# Altium PCB MAIN.PcbDoc (part 1 of 2) (continued)
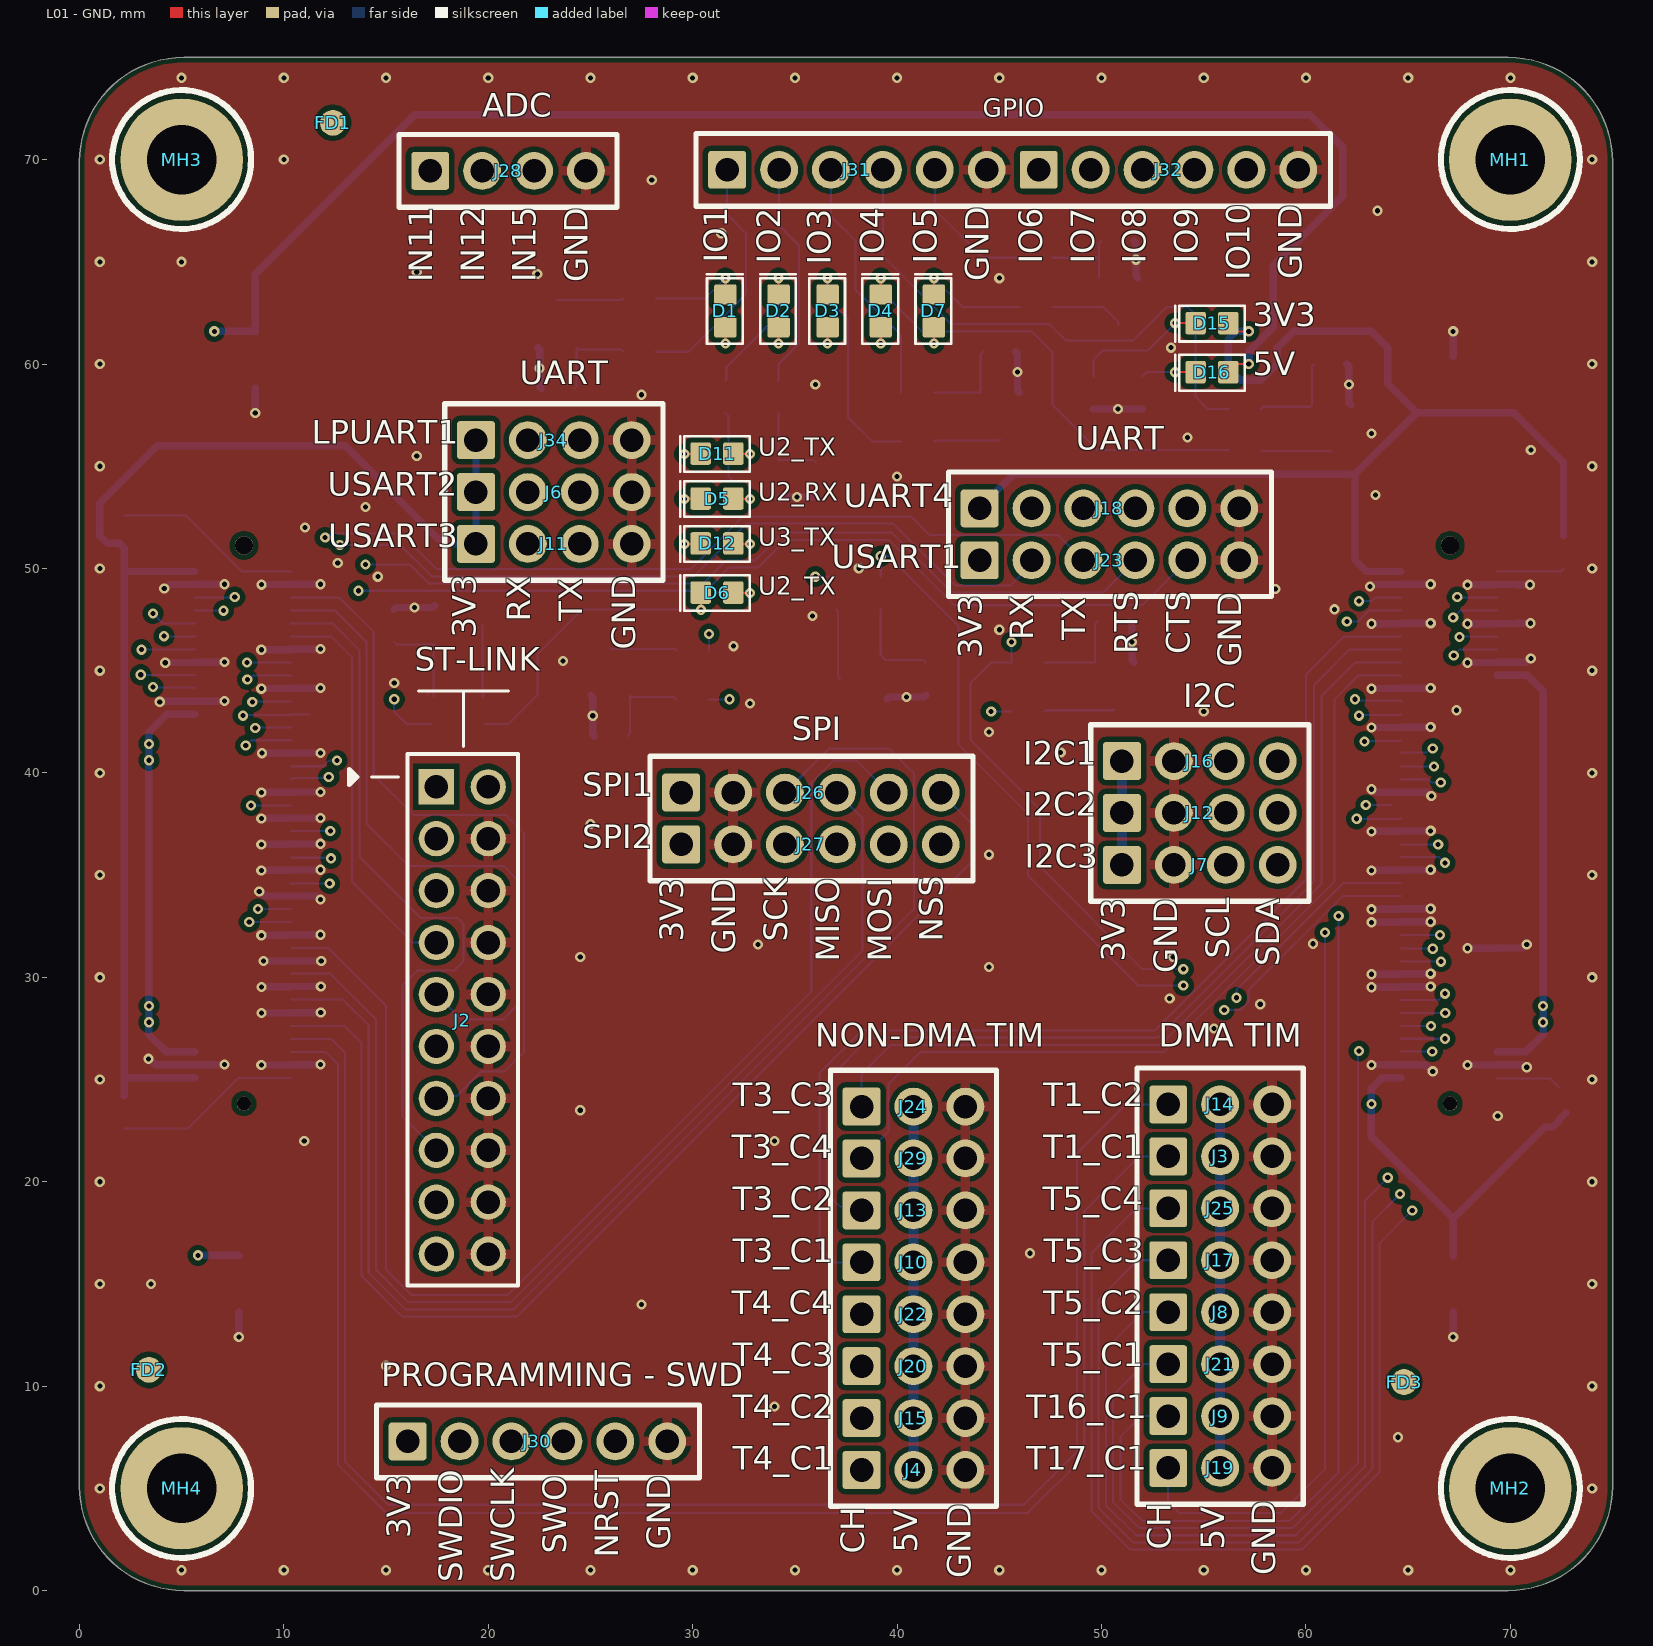
[diagram p0: L01 - GND view]
## Design rules (kind name [scope] priority, off if disabled: settings)
AcuteAngle [All] p1: minimum=6.00000000000000E+0001 checktracksonly=FALSE
BoardOutlineClearance [All] p1: gap=0.254 ignorepadtopadclearanceinfootprint=FALSE except(0: Arc-SplitContinuation Track-SplitContinuation SMDPad-SplitContinuation THPad-SplitContinuation Via-SplitContinuation Fill-SplitContinuation Poly-SplitContinuation Region-SplitContinuation Text-SplitContinuation)
Clearance [All] p1: gap=0.254 ignorepadtopadclearanceinfootprint=FALSE except(0: Arc-Hole Track-Hole SMDPad-Hole THPad-Hole Via-Hole Fill-Hole Poly-Hole Region-Hole Text-Hole)
HoleSize [All] p1: absolutevalues=TRUE maxlimit=4 minlimit=0.025 maxpercent=80.000 minpercent=20.000
MinimumSolderMaskSliver [All] p1: minsoldermaskwidth=0.1
PlaneClearance [All] p1: clearance=0.5
PolygonConnect [All] p1: connectstyle=Relief reliefconductorwidth=0.5 reliefentries=4 polygonreliefangle="90 Angle" airgapwidth=0.25
RoutingVias [All] p1: holewidth=0.711 width=1.27 viastyle="Through Hole" minholewidth=0.711 minwidth=1.27 maxholewidth=0.711 maxwidth=1.27
SilkToSilkClearance [All] p1: silktosilkclearance=0.25
SilkToSolderMaskClearance [IsPad] p1: minsilkscreentomaskgap=0.15 clearancetoexposedcopper=TRUE
SolderMaskExpansion [All] p1: expansion=0.102 istentingtop=FALSE
Width [All] p1: maxlimit=0.5 minlimit=0.1 preferedwidth=0.1 minimp=50.000000 maximp=50.000000 favimp=50.000000
25 further rules are at their usual default settings.

## Components (designator, comment, footprint, x,y, rotation, side; value= is the part's Value field where it differs from the comment)
C1 "GRM32ER71E226KE15K" .CAP_1210-Footprint-1 67.2,15 r90 bottom value=22uF
C2 "GRM32ER71E226KE15K" .CAP_1210-Footprint-1 67.2,59 r270 bottom value=22uF
C3 "GRM32ER71E226KE15K" .CAP_1210-Footprint-1 8.6,60.2 r90 bottom value=22uF
C4 "GRM32ER71E226KE15K" .CAP_1210-Footprint-1 7.8,15 r90 bottom value=22uF
D1 "LTST-C191KRKT" .LED_0603-Footprint-1 31.6,62.6 r90 top
D2 "LTST-C191KRKT" .LED_0603-Footprint-1 34.2,62.6 r90 top
D3 "LTST-C191KRKT" .LED_0603-Footprint-1 36.6,62.6 r90 top
D4 "LTST-C191KRKT" .LED_0603-Footprint-1 39.2,62.6 r90 top
D5 "LTST-C191KRKT" .LED_0603-Footprint-1 31.19,53.422 r180 top
D6 "LTST-C191KRKT" .LED_0603-Footprint-1 31.19,48.822 r180 top
D7 "LTST-C191KRKT" .LED_0603-Footprint-1 41.8,62.6 r90 top
D11 "LTST-C191KRKT" .LED_0603-Footprint-1 31.19,55.622 r180 top
D12 "LTST-C191KRKT" .LED_0603-Footprint-1 31.19,51.222 r180 top
D15 "LTST-C191KRKT" .LED_0603-Footprint-1 55.4,62 r180 top
D16 "LTST-C191KRKT" .LED_0603-Footprint-1 55.4,59.6 r180 top
FD1 "FIDUCIAL-STANDARD" FIDUCIAL-STANDARD-Footprint-1 12.4,71.8 r0 top
FD2 "FIDUCIAL-STANDARD" FIDUCIAL-STANDARD-Footprint-1 3.4,10.8 r90 top
FD3 "FIDUCIAL-STANDARD" FIDUCIAL-STANDARD-Footprint-1 64.8,10.2 r90 top
FD4 "FIDUCIAL-STANDARD" FIDUCIAL-STANDARD-Footprint-1 11.6,72.4 r90 bottom
FD5 "FIDUCIAL-STANDARD" FIDUCIAL-STANDARD-Footprint-1 2.6,10.4 r90 bottom
FD6 "FIDUCIAL-STANDARD" FIDUCIAL-STANDARD-Footprint-1 65.2,10 r90 bottom
J1 "550910874" 550910874-Footprint-1 8,37.5 r180 bottom locked
J2 "302-S201" 302-S201-Footprint-1 17.46,39.32 r270 top
J3 "PPPC031LFBN-RC" PPPC031LFBN-RC-Footprint-1 55.8,21.24 r0 top
J4 "PPPC031LFBN-RC" PPPC031LFBN-RC-Footprint-1 40.8,5.9 r0 top
J5 "550910874" 550910874-Footprint-1 67,37.5 r180 bottom locked
J6 "PPPC041LFBN-RC" PPPC041LFBN-RC-Footprint-1 19.4,53.74 r0 top
J7 "PPPC041LFBN-RC" PPPC041LFBN-RC-Footprint-1 51,35.5 r0 top
J8 "PPPC031LFBN-RC" PPPC031LFBN-RC-Footprint-1 55.8,13.62 r0 top
J9 "PPPC031LFBN-RC" PPPC031LFBN-RC-Footprint-1 55.8,8.54 r0 top
J10 "PPPC031LFBN-RC" PPPC031LFBN-RC-Footprint-1 40.8,16.06 r0 top
J11 "PPPC041LFBN-RC" PPPC041LFBN-RC-Footprint-1 19.4,51.2 r0 top
J12 "PPPC041LFBN-RC" PPPC041LFBN-RC-Footprint-1 51,38.04 r0 top
J13 "PPPC031LFBN-RC" PPPC031LFBN-RC-Footprint-1 40.8,18.6 r0 top
J14 "PPPC031LFBN-RC" PPPC031LFBN-RC-Footprint-1 55.8,23.78 r0 top
J15 "PPPC031LFBN-RC" PPPC031LFBN-RC-Footprint-1 40.8,8.44 r0 top
J16 "PPPC041LFBN-RC" PPPC041LFBN-RC-Footprint-1 51,40.58 r0 top
J17 "PPPC031LFBN-RC" PPPC031LFBN-RC-Footprint-1 55.8,16.16 r0 top
J18 "PPPC061LFBN-RC" PPPC061LFBN-RC-Footprint-1 46.6,52.94 r0 top
J19 "PPPC031LFBN-RC" PPPC031LFBN-RC-Footprint-1 55.8,6 r0 top
J20 "PPPC031LFBN-RC" PPPC031LFBN-RC-Footprint-1 40.8,10.98 r0 top
J21 "PPPC031LFBN-RC" PPPC031LFBN-RC-Footprint-1 55.8,11.08 r0 top
J22 "PPPC031LFBN-RC" PPPC031LFBN-RC-Footprint-1 40.8,13.52 r0 top
J23 "PPPC061LFBN-RC" PPPC061LFBN-RC-Footprint-1 46.6,50.4 r0 top
J24 "PPPC031LFBN-RC" PPPC031LFBN-RC-Footprint-1 40.8,23.68 r0 top
J25 "PPPC031LFBN-RC" PPPC031LFBN-RC-Footprint-1 55.8,18.7 r0 top
J26 "PPPC061LFBN-RC" PPPC061LFBN-RC-Footprint-1 32,39.04 r0 top
J27 "PPPC061LFBN-RC" PPPC061LFBN-RC-Footprint-1 32,36.5 r0 top
J28 "PPPC041LFBN-RC" PPPC041LFBN-RC-Footprint-1 17.16,69.45 r0 top
J29 "PPPC031LFBN-RC" PPPC031LFBN-RC-Footprint-1 40.8,21.14 r0 top
J30 "PPPC061LFBN-RC" PPPC061LFBN-RC-Footprint-1 18.62,7.3 r0 top
J31 "PPPC061LFBN-RC" PPPC061LFBN-RC-Footprint-1 34.25,69.5 r0 top
J32 "PPPC061LFBN-RC" PPPC061LFBN-RC-Footprint-1 49.49,69.5 r0 top
J34 "PPPC041LFBN-RC" PPPC041LFBN-RC-Footprint-1 19.4,56.28 r0 top
MH1 "M3HOLE-STANDARD" M3HOLE-STANDARD-Footprint-1 70,70 r0 top locked
MH2 "M3HOLE-STANDARD" M3HOLE-STANDARD-Footprint-1 70,5 r0 top locked
MH3 "M3HOLE-STANDARD" M3HOLE-STANDARD-Footprint-1 5,70 r0 top locked
MH4 "M3HOLE-STANDARD" M3HOLE-STANDARD-Footprint-1 5,5 r0 top locked
Q1 "DMG2302UKQ-7" .SOT23-3 23.4,62 r90 bottom
Q2 "DMG2302UKQ-7" .SOT23-3 32.99,54.377 r180 bottom
Q3 "DMG2302UKQ-7" .SOT23-3 45,57.4 r270 bottom
Q4 "DMG2302UKQ-7" .SOT23-3 61.223,56.79 r270 bottom
Q5 "DMG2302UKQ-7" .SOT23-3 38.301,44.6 r180 bottom
Q6 "DMG2302UKQ-7" .SOT23-3 18.6,47.2 r0 bottom
Q7 "DMG2302UKQ-7" .SOT23-3 50.8,63 r270 bottom
Q11 "DMG2302UKQ-7" .SOT23-3 50.6,44.2 r270 bottom
Q12 "DMG2302UKQ-7" .SOT23-3 26,45 r90 bottom
R1 "RC0603JR-070RL" .RES_0603-Footprint-1 2.2,51.8 r270 bottom value=0
R2 "RC0603JR-070RL" .RES_0603-Footprint-1 2.2,23.4 r90 bottom value=0
R3 "RC0603JR-070RL" .RES_0603-Footprint-1 72.4,23.8 r270 bottom value=0
R4 "RC0603JR-070RL" .RES_0603-Footprint-1 72.6,50.8 r90 bottom value=0
R5 "RC0603FR-071KL" .RES_0603-Footprint-1 27.4,63.2 r0 bottom value=1k
R6 "RC0603FR-071KL" .RES_0603-Footprint-1 31.6,58.4 r90 bottom value=1k
R7 "RC0603FR-071KL" .RES_0603-Footprint-1 41,56.2 r180 bottom value=1k
R8 "RC0603FR-071KL" .RES_0603-Footprint-1 57,55.8 r180 bottom value=1k
R9 "RC0603FR-07100RL" .RES_0603-Footprint-1 27.4,60.6 r0 bottom
R10 "RC0603FR-07100RL" .RES_0603-Footprint-1 34.2,58.4 r90 bottom
R11 "RC0603FR-07100RL" .RES_0603-Footprint-1 41,58.6 r180 bottom
R12 "RC0603FR-07100RL" .RES_0603-Footprint-1 57,57.8 r180 bottom
R13 "RC0603FR-071KL" .RES_0603-Footprint-1 37,48.8 r90 bottom value=1k
R14 "RC0603FR-071KL" .RES_0603-Footprint-1 19.8,43.2 r270 bottom value=1k
R15 "RC0603FR-07100RL" .RES_0603-Footprint-1 39.2,48.8 r90 bottom
R16 "RC0603FR-07100RL" .RES_0603-Footprint-1 17.2,43.2 r270 bottom
R17 "RC0603FR-07100KL" .RES_0603-Footprint-1 23.4,58.8 r0 bottom value=100k
R18 "RC0603FR-07100KL" .RES_0603-Footprint-1 36,54.4 r90 bottom value=100k
R19 "RC0603FR-07100KL" .RES_0603-Footprint-1 45,60.6 r180 bottom value=100k
R20 "RC0603FR-07100KL" .RES_0603-Footprint-1 61.2,60 r180 bottom value=100k
R21 "RC0603FR-07100KL" .RES_0603-Footprint-1 41.4,44.6 r90 bottom value=100k
R22 "RC0603FR-07100KL" .RES_0603-Footprint-1 15.4,47.2 r270 bottom value=100k
R23 "RC0603FR-071KL" .RES_0603-Footprint-1 46.8,62.8 r180 bottom value=1k
R27 "RC0603FR-07100RL" .RES_0603-Footprint-1 46.8,65.2 r180 bottom
R31 "RC0603FR-071KL" .RES_0603-Footprint-1 46.4,43 r180 bottom value=1k
R32 "RC0603FR-071KL" .RES_0603-Footprint-1 30,46 r0 bottom value=1k
R33 "RC0603FR-07100RL" .RES_0603-Footprint-1 46.4,45.4 r180 bottom
R34 "RC0603FR-07100RL" .RES_0603-Footprint-1 30,43.6 r0 bottom
R35 "RC0603FR-07100KL" .RES_0603-Footprint-1 50.8,66 r180 bottom value=100k
R39 "RC0603FR-07100KL" .RES_0603-Footprint-1 50.6,47.4 r180 bottom value=100k
R40 "RC0603FR-07100KL" .RES_0603-Footprint-1 26,41.8 r0 bottom value=100k
R45 "RC0603FR-071KL" .RES_0603-Footprint-1 49.6,58.6 r90 bottom value=1k
R46 "RC0603FR-071KL" .RES_0603-Footprint-1 52,58.6 r90 bottom value=1k
SS1 "LABEL-WIDER" LABEL-WIDER-Footprint-1 41.6,30 r0 bottom

## Footprints (in the part's own frame and the unit in brackets; to place one, negate y for a bottom-side part, rotate by r counter-clockwise, add the part's x,y. Pads: shape width x height; smd on the part's side, far side on the other; paste and mask are expansions set on the pad)
302-S201-Footprint-1 [mm]
  rect 1.725x1.725 hole 1.15: 1(0,0)
  round 1.725 hole 1.15: 2(0,2.54) 3(2.54,0) 4(2.54,2.54) 5(5.08,0) 6(5.08,2.54) 7(7.62,0) 8(7.62,2.54) 9(10.16,0) 10(10.16,2.54) 11(12.7,0) 12(12.7,2.54) 13(15.24,0) 14(15.24,2.54) 15(17.78,0) 16(17.78,2.54) 17(20.32,0) 18(20.32,2.54) 19(22.86,0) 20(22.86,2.54)
  silkscreen extent -1.6,-1.4 24.4,4, body extent -4.95,-3.3 28.07,5.8, height 9
550910874-Footprint-1 [mm]
  rect 2.2x0.36 smd mask+0.04: 1(2.35,12.35)
  oval 2.2x0.36 smd mask+0.04: 2(2.35,11.715) 3(2.35,11.08) 4(2.35,10.445) 5(2.35,9.81) 6(2.35,9.175) 7(2.35,8.54) 8(2.35,7.905) 9(2.35,7.27) 10(2.35,6.635) 11(2.35,6) 12(2.35,5.365) 13(2.35,4.73) 14(2.35,4.095) 15(2.35,3.46) 16(2.35,2.825) 17(2.35,2.19) 18(2.35,1.555) 19(2.35,0.92) 20(2.35,0.285) 21(2.35,-0.35) 22(2.35,-0.985) 23(2.35,-1.62) 24(2.35,-2.255) 25(2.35,-2.89) 26(2.35,-3.525) 27(2.35,-4.16) 28(2.35,-4.795) 29(2.35,-5.43) 30(2.35,-6.065) 31(2.35,-6.7) 32(2.35,-7.335) 33(2.35,-7.97) 34(2.35,-8.605) 35(2.35,-9.24) 36(2.35,-9.875) 37(2.35,-10.51) 38(2.35,-11.145) 39(2.35,-11.78) 41(-2.35,12.35) 42(-2.35,11.715) 43(-2.35,11.08) 44(-2.35,10.445) 45(-2.35,9.81) 46(-2.35,9.175) 47(-2.35,8.54) 48(-2.35,7.905) 49(-2.35,7.27) 50(-2.35,6.635) 51(-2.35,6) 52(-2.35,5.365) 53(-2.35,4.73) 54(-2.35,4.095) 55(-2.35,3.46) 56(-2.35,2.825) 57(-2.35,2.19) 58(-2.35,1.555) 59(-2.35,0.92) 60(-2.35,0.285) 61(-2.35,-0.35) 62(-2.35,-0.985) 63(-2.35,-1.62) 64(-2.35,-2.255) 65(-2.35,-2.89) 66(-2.35,-3.525) 67(-2.35,-4.16) 68(-2.35,-4.795) 69(-2.35,-5.43) 70(-2.35,-6.065) 71(-2.35,-6.7) 72(-2.35,-7.335) 73(-2.35,-7.97) 74(-2.35,-8.605) 75(-2.35,-9.24) 76(-2.35,-9.875) 77(-2.35,-10.51) 78(-2.35,-11.145) 79(-2.35,-11.78) 80(-2.35,-12.415)
  oval 2.2x0.36 smd mask+0.05: 40(2.35,-12.415)
  rect 2x2.5 smd: ""(-0.075,15.475)
  rect 2.4x2.5 smd: ""(-0.05,-15.375)
  round 0.7 hole 0.7 unplated mask+0: ""(-0.05,-13.675)
  round 0.9 hole 0.9 unplated mask+0: ""(-0.05,13.625)
  silkscreen extent -3.83,-17.1 3.88,17.3, body extent -2.65,-16.17 2.55,16.1, height 5.2
.CAP_1210-Footprint-1 [mm] "Chip Capacitor, 2-Leads, 1210 Generic"
  rrect15% 1.6x2.7 smd: 1(-1.375,0) 2(1.375,0)
  silkscreen extent -2.44,-1.63 2.44,1.63, body extent -1.75,-1.35 1.75,1.35, height 2.7
.LED_0603-Footprint-1 [mm]
  rrect20% 1x1.1 smd: 1(-0.8,0) 2(0.8,0)
  silkscreen extent -1.6,-0.85 1.8,0.9, body extent -0.81,-0.4 0.81,0.4, height 0.6
.RES_0603-Footprint-1 [mm]
  rrect15% 1.1x1 smd: 1(-0.8,0) 2(0.8,0)
  silkscreen extent -1.58,-0.8 1.58,0.8, body extent -0.8,-0.4 0.8,0.4, height 0.46
.SOT23-3 [mm]
  rrect15% 0.9x0.6 smd: 1(-1.21,0.923) 2(-1.21,-0.977) 3(1.09,-0.027)
  silkscreen extent -1.11,-1.83 0.64,1.82, body extent -1.36,-1.53 1.24,1.47, height 1.1
FIDUCIAL-STANDARD-Footprint-1 [mm]
  round 1.27 smd: 1(0,0)
LABEL-WIDER-Footprint-1 [mm]
  silkscreen extent -15.5,-3 15.5,3
M3HOLE-STANDARD-Footprint-1 [mm]
  round 6 hole 3.4: 1(0,0)
  silkscreen extent -3.4,-3.4 3.4,3.4
PPPC031LFBN-RC-Footprint-1 [mm]
  rrect15% 1.85x1.85 hole 1.15: 1(-2.54,0)
  round 1.85 hole 1.15: 2(0,0) 3(2.54,0)
  silkscreen extent -4.06,-1.78 4.06,1.78, body extent -4.06,-1.27 4.06,1.27, height 8.53
PPPC041LFBN-RC-Footprint-1 [mm]
  rrect15% 1.85x1.85 hole 1.15: 1(0,0)
  round 1.85 hole 1.15: 2(2.54,0) 3(5.08,0) 4(7.62,0)
  silkscreen extent -1.52,-1.78 9.14,1.78, body extent -1.52,-1.27 9.14,1.27, height 8.53
PPPC061LFBN-RC-Footprint-1 [mm]
  rrect15% 1.85x1.85 hole 1.15: 1(-2.565,0)
  round 1.85 hole 1.15: 2(-0.025,0) 3(2.515,0) 4(5.055,0) 5(7.595,0) 6(10.135,0)
  silkscreen extent -4.09,-1.78 11.71,1.78, body extent -4.09,-1.27 11.65,1.27, height 8.5

## Part data
C1 C2 C3 C4: library part CMP-00073-1, "CAP CER 22uF 25V X7R 1210", Case/Package=1210, Dielectric=X7R, Tolerance=10%, Voltage Rating (DC)=25V
D1 D2 D3 D4 D5 D6 D7 D11 D12 D15 D16: library part CMP-004-00004-5, "LED RED 2V 0603", Case/Package=0603, Color=Red, Forward Current=30mA, Forward Voltage=2V, Luminous Intensity=54mcd, Mount="Surface Mount"
FD1 FD2 FD3 FD4 FD5 FD6: library part CMP-00028-00000-1, "Standard Fiducial"
J1 J5: library part CMP-00033-4, "Plug: SlimStack Board-to-Board Connector, 0.635mm Pitch, 0.635 Series, 6.00 or 12.00mm Mated Height, 6.40mm Mated Width, 80 Circuits", Gender=Plug, Pins=80, Pitch=0.635mm, Rows=2, Series=SlimStack
J2: library part CMP-00087-2, "CONN HDR VERT 20POS 2.54MM TH SHROUDED", Pitch=2.54mm, Positions=20, Rows=2
J3 J4 J8 J9 J10 J13 J14 J15 J17 J19 J20 J21 J22 J24 J25 J29: library part CMP-002-00001-4, "CONN HEADER 3X1 2.54MM FEMALE VERT TH", Manufacturer="Sullins Connector Solutions", Supplier Part Number=S7036-ND, Manufacturer P/N=PPPC031LFBN-RC, Pitch=2.54mm, Supplier=Digikey
J6 J7 J11 J12 J16 J28 J34: library part CMP-002-00002-2, "CONN HEADER 4X1 2.54MM FEMALE VERT TH", Manufacturer="Sullins Connector Solutions", Supplier Part Number=S7037-ND, Manufacturer P/N=PPPC041LFBN-RC, Pitch=2.54mm, Supplier=Digikey
J18 J23 J26 J27 J30 J31 J32: library part CMP-002-00004-3, "CONN HEADER 6X1 2.54MM FEMALE VERT TH", Manufacturer="Sullins Connector Solutions", Supplier Part Number=S7039-ND, Manufacturer P/N=PPPC061LFBN-RC, Pitch=2.54mm, Supplier=Digikey
MH1 MH2 MH3 MH4: library part CMP-00005-1, "Standard M3 Mounting hole as defined by mech team, see confluence for reasonning", Hole Diam=3.400mm, Plating Diam=6.000mm
Q1 Q2 Q3 Q4 Q5 Q6 Q7 Q11 Q12: library part CMP-013-00010-1, "MOSFET N-CH 20V 2.8A SOT23 T&R 3", Max Continuous Current Drain=2.8A, Max Drain to Source Voltage=20V, Rds(on)=90m, Vgs(th)=1V
R1 R2 R3 R4: library part CMP-009-00017-3, "RES 0 OHM 1% 1/10W 0603", Case/Package=0603, Power Rating=1/10W
R5 R6 R7 R8 R13 R14 R23 R31 R32 R45 R46: library part CMP-009-00012-3, "RES 1k OHM 1% 1/10W 0603", Case/Package=0603, Power=1/10W
R9 R10 R11 R12 R15 R16 R27 R33 R34: library part CMP-00022-3, "RES 100 OHM 1% 1/10W 0603", Case Code (Imperial)=0603, Case Code (Metric)=1608, Max Operating Temperature=155°C, Max Power Dissipation=100mW, Min Operating Temperature=-55°C, Power Rating=1/10W, Resistance=100, Resistance Tolerance=1%, Resistor Type="Thick Film", Temperature Coefficient=100ppm/°C, Voltage Rating=50V, Case/Package=0603, Construction=Rectangular, Depth=0.8mm, Features="Moisture Resistant", Height=0.45mm, Lead Free="Lead Free", Length=1.6mm, Military Standard=Not, Number of Pins=2, Number of Terminations=2, Packaging="Tape and Reel", REACH SVHC=Unknown, RoHS Compliant=Yes, Series=RC, Size Code=0603, Technology="THICK FILM", Termination=SMD/SMT, Tolerance=1%, Voltage Rating (DC)=50V, Width=0.8mm
R17 R18 R19 R20 R21 R22 R35 R39 R40: library part CMP-009-00014-3, "RES 100K OHM 1% 1/10W 0603", Case/Package=0603, Power Rating=1/10W, Voltage Rating=50V
SS1: library part CMP-00089-1, "Silk screen marking spot for us to place a marking. 0.5cmx3cm size."

## Via types
v1: diameter 0.5, hole 0.25, L01 - GND to L04 - SIG, tented both sides, 291 vias

## Nets (pads, with @x,y where several pads share a name; then routed paths per layer and width w, separated by ;. In a path a pad name is that pad's centre, name@x,y a point inside that pad or via, vN(x,y) a via of type N, cw(c..) or ccw(c..) an arc to the next point about the centre after c; other vN are vias at no path point)
3V3: C1.2 C2.2 D1.1 D2.1 D3.1 D4.1 D5.1 D6.1 D7.1 D11.1 D12.1 D15.1 J1.1 J1.40 J2.1 J2.2 J5.1 J5.40 J6.1 J7.1 J11.1 J12.1 J16.1 J18.1 J23.1 J26.1 J27.1 J30.1 J34.1 R1.2 R2.2 R3.2 R4.2 | length 320.1
  L01 - GND w0.1: v1(31.6,61) D1.1@31.6,61.8 ; D12.1@31.99,51.222 32.012,51.2 v1(32.8,51.2) ; D5.1@31.99,53.422 32.012,53.4 v1(32.8,53.4) ; D11.1@31.99,55.622 32.012,55.6 v1(32.8,55.6) ; D6.1@32.001,48.811 32.012,48.8 v1(32.8,48.8) ; v1(34.2,61) D2.1@34.2,61.8 ; v1(36.6,61) D3.1@36.6,61.8 ; v1(39.2,61) D4.1@39.2,61.8 ; v1(41.8,61) D7.1@41.8,61.8 ; D15.1@56.2,62 56.6,61.6 v1(57.2,61.6)
  L02 - SIG w0.36: J30.1@16.055,7.3 16.055,5.745 16.8,5 30.2,5 31.6,6.4 31.6,33.2 ; J34.1@19.4,56.28 19.4,58.2 22.2,61 v1(31.6,61) 32.8,61 ; J27.1@29.435,36.5 29.435,33.765 30,33.2 31.6,33.2 ; v1(32.8,48.8) v1(32.8,53.4) v1(32.8,55.6) 32.8,61 ; J7.1@51,35.5 48.7,33.2 ; J16.1@51,40.58 51,43.435 J23.1@44.035,50.4 J18.1@44.035,52.94 44.035,58.765 v1(41.8,61) v1(39.2,61) v1(36.6,61) 32.8,61 ; v1(63.2,23.8) 60.2,26.8 53.6,26.8 48.7,31.7 48.7,33.2 ; 31.6,33.2 48.7,33.2
  L02 - SIG w0.5: J2.1@17.46,39.32 29.155,39.32 J26.1@29.435,39.04 J27.1@29.435,36.5
  L04 - SIG w0.36: R2.2@2.2,24.2 2.2,25.085 ; J1.40@5.65,25.085 2.2,25.085 ; J1.1@5.65,49.85 2.2,49.85 ; J34.1@19.4,56.28 J6.1@19.4,53.74 J11.1@19.4,51.2 17.8,51.2 13,56 3.8,56 1,53.2 1,51.6 1.375,51.225 1.975,51.225 R1.2@2.2,51 2.2,49.85 ; J18.1@44.035,52.94 45.695,54.6 62.4,54.6 ; v1(57.2,61.6) 56.6,61.6 56.2,61.2 56.2,59.8 56.8,59.2 57.8,59.2 58.6,60 58.6,60.8 59.4,61.6 63.2,61.6 64,60.8 64,59.05 65.425,57.625 ; J5.40@64.65,25.085 63.73,25.085 63.2,24.555 63.2,22.2 67.2,18.2 ; J5.1@64.65,49.85 62.95,49.85 62.4,50.4 62.4,54.6 ; C1.2@67.2,16.375 67.2,18.2 ; R4.2@72.6,51.6 72.6,55.2 70.175,57.625 C2.2@67.2,57.625 65.425,57.625 ; R3.2@72.72,23.37 72.4,23.05 R3.2@72.4,23 72.4,22.995 72.08,22.675 71.675,22.675 67.2,18.2 ; 2.2,25.085 2.2,49.85 ; 62.4,54.6 65.425,57.625
  L04 - SIG w0.5: J7.1@51,35.5 J12.1@51,38.04 J16.1@51,40.58
5V: C3.2 C4.2 D16.1 J1.12 J1.38 J3.2 J4.2 J5.49 J5.78 J8.2 J9.2 J10.2 J13.2 J14.2 J15.2 J17.2 J19.2 J20.2 J21.2 J22.2 J24.2 J25.2 J29.2 | length 304.7
  L01 - GND w0.1: D16.1@56.2,59.6 56.6,60 v1(57.2,60)
  L02 - SIG w0.36: v1(3.4,28.6) 3.4,27.2 2.6,26.4 2.6,19.6 v1(5.8,16.4) 10.4,11.8 10.4,5.4 13.8,2 54,2 55.8,3.8 J19.2@55.8,6 ; v1(3.4,40.62) v1(3.4,41.42) 3.4,42.4 1.8,44 1.8,51.8 5,55 5,60 v1(6.6,61.6) ; J24.2@40.8,23.68 42.92,25.8 55.8,25.8 ; J14.2@55.8,23.78 55.8,25.8 ; v1(71.6,28.6) v1(71.6,27.8) 71.6,21 67.8,17.2 62.8,17.2 60.6,19.4 60.6,24.6 59.4,25.8 55.8,25.8
  L04 - SIG w0.36: J1.38@5.65,26.355 4.245,26.355 3.4,27.2 3.4,42 3.861,42.461 4.265,42.865 J1.12@5.65,42.865 ; v1(5.8,16.4) 7.775,16.4 C4.2@7.8,16.375 ; v1(6.6,61.6) C3.2@8.575,61.6 ; C3.2@8.6,61.575 8.6,64.4 16.4,72.2 60.2,72.2 61.8,70.6 61.8,68.2 58.4,64.8 58.4,61.8 57.227,60.627 57.227,60.027 v1(57.2,60) ; J5.78@69.35,26.355 70.755,26.355 71.6,27.2 v1(71.6,28.6) 71.6,44 70.83,44.77 J5.49@69.35,44.77
  L04 - SIG w0.5: J4.2@40.8,5.9 J15.2@40.8,8.44 J20.2@40.8,10.98 J22.2@40.8,13.52 J10.2@40.8,16.06 J13.2@40.8,18.6 J29.2@40.8,21.14 J24.2@40.8,23.68 ; J19.2@55.8,6 J9.2@55.8,8.54 J21.2@55.8,11.08 J8.2@55.8,13.62 J17.2@55.8,16.16 J25.2@55.8,18.7 J3.2@55.8,21.24 J14.2@55.8,23.78
  other v1: 3.4,27.8
ADC_IN11: J5.29 J28.1 | length 83.6
  L02 - SIG w0.1: J28.1@17.16,69.45 17.16,68.14 20.208,65.092 45.907,65.092 53.707,57.292 64.407,57.292 69.6,52.099 69.6,35.109 v1(66.561,32.07)
  L04 - SIG w0.1: J5.29@64.65,32.07 v1(66.561,32.07)
ADC_IN12: J5.30 J28.2 | length 81.9
  L02 - SIG w0.1: J28.2@19.66,69.2 23.414,65.446 46.053,65.446 53.853,57.646 64.653,57.646 69.954,52.345 69.954,34.257 67.097,31.4 v1(66.2,31.4)
  L04 - SIG w0.1: J5.30@64.65,31.435 64.667,31.418 66.182,31.418 v1(66.2,31.4)
ADC_IN15: J5.31 J28.3 | length 81.2
  L02 - SIG w0.1: J28.3@22.2,69.2 25.6,65.8 46.2,65.8 54,58 64.901,58 70.308,52.593 70.308,32.908 68.165,30.765 v1(66.609,30.765)
  L04 - SIG w0.1: J5.31@64.65,30.8 64.667,30.783 66.592,30.783 v1(66.609,30.765)
GND: C1.1 C2.1 C3.1 C4.1 J1.2 J1.8 J1.11 J1.39 J1.42 J1.47 J1.50 J1.55 J1.58 J1.60 J1.62 J1.64 J1.66 J1.69 J1.71 J1.73 J1.75 J1.79 J2.4 J2.6 J2.8 J2.10 J2.12 J2.14 J2.16 J2.18 J2.20 J3.3 J4.3 J5.2 J5.5 J5.10 J5.13 J5.18 J5.21 J5.24 J5.27 J5.28 J5.32 J5.33 J5.39 J5.42 J5.45 J5.48 J5.70 J5.79 J6.4 J7.2 J8.3 J9.3 J10.3 J11.4 J12.2 J13.3 J14.3 J15.3 J16.2 J17.3 J18.6 J19.3 J20.3 J21.3 J22.3 J23.6 J24.3 J25.3 J26.2 J27.2 J28.4 J29.3 J30.6 J31.6 J32.6 J34.4 Q1.2 Q2.2 Q3.2 Q4.2 Q5.2 Q6.2 Q7.2 Q11.2 Q12.2 R17.1 R18.1 R19.1 R20.1 R21.1 R22.1 R35.1 R39.1 R40.1 R45.1 R46.1 | length 128.8
  L04 - SIG w0.1: J1.2@5.642,49.207 J1.2@5.65,49.215
  L04 - SIG w0.36: v1(3.376,26.013) 3.414,26.013 3.707,25.72 J1.39@5.642,25.72 ; v1(3.93,43.477) 3.952,43.5 J1.11@5.642,43.5 ; v1(4.153,49.021) 4.191,49.021 4.385,49.215 J1.2@5.642,49.215 ; v1@4.207,45.397 J1.8@5.642,45.397 ; J1.39@5.657,25.727 v1@7.092,25.727 ; J1.11@5.657,43.507 v1@7.092,43.507 ; J1.8@5.657,45.412 v1@7.092,45.412 ; J1.2@5.657,49.222 v1@7.092,49.222 ; v1(7.8,12.4) C4.1@7.8,13.625 ; v1(8.6,57.6) C3.1@8.6,58.825 ; v1(8.8,34.2) 8.838,34.2 9.063,33.975 J1.66@10.342,33.975 ; v1@8.907,25.712 J1.79@10.342,25.712 ; v1@8.907,32.062 J1.69@10.342,32.062 ; v1@8.907,35.237 J1.64@10.342,35.237 ; v1@8.907,36.507 J1.62@10.342,36.507 ; v1@8.907,37.777 J1.60@10.342,37.777 ; v1@8.907,39.047 J1.58@10.342,39.047 ; v1@8.907,44.127 J1.50@10.342,44.127 ; v1@8.907,46.032 J1.47@10.342,46.032 ; v1@8.912,28.257 J1.75@10.347,28.257 ; v1@8.915,49.215 J1.42@10.35,49.215 ; v1@8.918,29.533 J1.73@10.353,29.533 ; v1(8.929,40.964) 8.934,40.96 J1.55@10.34,40.96 ; v1(9,30.8) v1@11.833,30.8 ; J1.55@10.355,40.97 v1@11.79,40.97 ; J1.79@10.357,25.727 v1@11.792,25.727 ; J1.69@10.357,32.077 v1@11.792,32.077 ; J1.66@10.357,33.975 11.587,33.975 11.762,33.8 v1(11.8,33.8) ; J1.64@10.357,35.252 v1@11.792,35.252 ; J1.62@10.357,36.522 v1@11.792,36.522 ; J1.60@10.357,37.792 v1@11.792,37.792 ; J1.58@10.357,39.062 v1@11.792,39.062 ; J1.50@10.357,44.142 v1@11.792,44.142 ; J1.47@10.357,46.047 v1@11.792,46.047 ; J1.42@10.357,49.222 v1@11.792,49.222 ; J1.75@10.362,28.272 v1@11.797,28.272 ; J1.73@10.368,29.548 v1@11.803,29.548 ; R22.1@15.4,48 15.488,48.088 17.302,48.088 Q6.2@17.39,48.177 ; Q1.2@22.418,60.795 Q1.2@22.423,60.79 22.512,60.701 22.512,58.889 R17.1@22.6,58.8 ; Q12.2@25.023,43.79 25.112,43.701 25.112,41.888 R40.1@25.2,41.8 ; Q2.2@34.2,53.4 34.3,53.5 35.9,53.5 R18.1@36,53.6 ; Q5.2@39.511,43.623 39.599,43.712 41.311,43.712 R21.1@41.4,43.8 ; R19.1@45.8,60.6 45.888,60.512 45.888,58.698 Q3.2@45.977,58.61 ; R45.1@49.6,57.8 R46.1@52,57.8 ; R39.1@51.4,47.4 51.488,47.312 51.488,45.498 Q11.2@51.577,45.41 ; R35.1@51.6,66 51.689,65.911 51.689,64.298 Q7.2@51.777,64.21 ; R20.1@62,60 62.1,59.9 62.1,58.1 Q4.2@62.2,58 ; v1(63.132,49.123) 63.169,49.123 63.261,49.215 J5.2@64.642,49.215 ; v1(63.2,39.2) 63.238,39.2 63.383,39.055 J5.18@64.642,39.055 ; v1@63.207,29.522 J5.33@64.642,29.522 ; v1@63.207,30.157 J5.32@64.642,30.157 ; v1@63.207,32.697 J5.28@64.642,32.697 ; v1@63.207,33.332 J5.27@64.642,33.332 ; v1@63.207,35.237 J5.24@64.642,35.237 ; v1@63.207,37.142 J5.21@64.642,37.142 ; v1@63.207,42.222 J5.13@64.642,42.222 ; v1@63.207,44.127 J5.10@64.642,44.127 ; v1@63.207,47.302 J5.5@64.642,47.302 ; v1@63.219,25.724 J5.39@64.654,25.724 ; J5.18@64.65,39.055 65.91,39.055 66.096,38.869 v1(66.134,38.869) ; J5.33@64.657,29.537 v1@66.092,29.537 ; J5.32@64.657,30.172 v1@66.092,30.172 ; J5.28@64.657,32.712 v1@66.092,32.712 ; J5.27@64.657,33.347 v1@66.092,33.347 ; J5.24@64.657,35.252 v1@66.092,35.252 ; J5.21@64.657,37.157 v1@66.092,37.157 ; J5.13@64.657,42.237 v1@66.092,42.237 ; J5.10@64.657,44.142 v1@66.092,44.142 ; J5.5@64.657,47.317 v1@66.092,47.317 ; J5.2@64.657,49.222 v1@66.092,49.222 ; J5.39@64.669,25.72 65.842,25.72 66.162,25.4 v1(66.2,25.4) ; v1(67.2,12.4) C1.1@67.2,13.625 ; C2.1@67.2,60.375 v1(67.2,61.6) ; v1@67.907,25.712 J5.79@69.342,25.712 ; v1@67.907,31.427 J5.70@69.342,31.427 ; v1@67.907,45.397 J5.48@69.342,45.397 ; v1@67.907,47.302 J5.45@69.342,47.302 ; v1@67.907,49.207 J5.42@69.342,49.207 ; J5.79@69.357,25.72 70.642,25.72 70.762,25.6 v1(70.8,25.6) ; J5.70@69.357,31.435 70.597,31.435 70.762,31.6 v1(70.8,31.6) ; J5.48@69.357,45.405 70.767,45.405 70.962,45.6 v1(71,45.6) ; J5.45@69.357,47.31 70.27,47.31 70.277,47.317 70.914,47.317 70.918,47.322 v1(70.978,47.322) ; J5.42@69.357,49.215 70.27,49.215 70.279,49.206 v1(70.96,49.206)
  other v1: 5,1 10,1 15,1 20,1 25,1 30,1 35,1 40,1 45,1 50,1 55,1 60,1 65,1 70,1 1,5 74,5 64.5,7.5 34,9 1,10 74,10 15,11 27.5,14 1,15 3.5,15 74,15 46.5,16.5 1,20 74,20 11,22 34,22 69.383,23.222 24.5,23.5 1,25 74,25 8.9,25.705 63.211,25.716 67.9,25.705 7.1,25.735 11.8,25.735 55.5,27.5 8.905,28.25 11.805,28.28 57.765,28.682 53.333,28.962 8.91,29.525 63.2,29.515 11.81,29.555 66.1,29.545 1,30 74,30 63.2,30.15 66.1,30.18 44.5,30.5 11.833,30.8 24.5,31 53.5,31 67.9,31.42 33.2,31.6 60.34,31.64 8.9,32.055 11.8,32.085 63.2,32.69 66.1,32.72 63.2,33.325 66.1,33.355 1,35 74,35 8.9,35.23 63.2,35.23 11.8,35.26 66.1,35.26 44.5,36 8.9,36.5 11.8,36.53 63.2,37.135 66.1,37.165 25,37.5 8.9,37.77 11.8,37.8 8.9,39.04 11.8,39.07 1,40 74,40 11.797,40.977 48,41 44.5,42 63.2,42.215 66.1,42.245 25.112,42.795 55,43 67.362,43.066 32.8,43.4 7.1,43.515 40.455,43.712 8.9,44.12 63.2,44.12 11.8,44.15 66.1,44.15 15.4,44.4 1,45 74,45 4.2,45.39 67.9,45.39 7.1,45.42 23.663,45.47 8.9,46.025 11.8,46.055 32,46.2 51.488,46.405 45,47 63.2,47.295 67.9,47.295 66.1,47.325 35.856,47.671 61.4,48 16.395,48.088 58.5,49 8.908,49.208 67.9,49.2 7.1,49.23 11.8,49.23 66.1,49.23 14.6,49.6 1,50 74,50 38.128,50.011 12.638,50.262 11.04,52.01 14,53 35.1,53.5 63.4,53.6 40,54.5 1,55 74,55 16.5,55.5 71,55.8 54.2,56.4 63.2,56.6 50.8,57.8 27.5,58.5 36,59 62.1,59 45.888,59.605 22.512,59.795 1,60 74,60 53.4,60.8 45,64.2 22.4,64.4 16.5,64.5 1,65 5,65 74,65 51.689,65.105 31.4,66.4 63.5,67.5 28,69 1,70 10,70 74,70 5,74 10,74 15,74 20,74 25,74 30,74 35,74 40,74 45,74 50,74 55,74 60,74 65,74 70,74
GPIO_1: J5.34 J31.1 R9.2 | length 87.9
  L02 - SIG w0.1: J31.1@31.685,69.5 34.585,66.6 57.4,66.6 71.584,52.416 71.584,31.584 69.2,29.2 v1(66.8,29.2)
  L04 - SIG w0.1: R9.2@28.2,60.6 29.8,60.6 32.6,63.4 32.6,66.4 31.685,67.315 J31.1@31.685,69.5 ; J5.34@64.65,28.895 66.495,28.895 v1(66.8,29.2)
GPIO_2: J5.35 J31.2 R10.2 | length 85.6
  L02 - SIG w0.1: J31.2@34.225,69.5 36.771,66.954 57.547,66.954 71.938,52.563 71.938,31.338 68.861,28.261 66.818,28.261 v1(66.811,28.254)
  L04 - SIG w0.1: R10.2@34.2,59.2 34.2,60 35.2,61 35.2,65.8 34.225,66.775 J31.2@34.225,69.5 ; J5.35@64.65,28.26 64.653,28.257 66.808,28.257 v1(66.811,28.254)
GPIO_3: J5.36 J31.3 R11.2 | length 85.4
  L02 - SIG w0.1: J31.3@36.765,69.5 38.957,67.308 57.693,67.308 72.292,52.709 72.292,31.191 68.747,27.646 66.138,27.646 v1(66.117,27.625)
  L04 - SIG w0.1: J31.3@36.765,69.5 36.765,67.235 37.954,66.046 37.954,63.646 40.2,61.4 R11.2@40.2,58.6 ; J5.36@64.65,27.625 v1(66.117,27.625)
GPIO_4: J5.37 J31.4 R12.2 | length 99.6
  L02 - SIG w0.1: J31.4@39.305,69.5 41.143,67.662 57.84,67.662 72.646,52.856 72.646,31.045 68.596,26.995 v1(66.795,26.995)
  L04 - SIG w0.1: J31.4@39.305,69.5 39.305,65.295 42.646,61.954 47.446,61.954 48.244,61.156 51.556,61.156 53.2,62.8 54.2,62.8 54.6,62.4 54.6,58.4 55.2,57.8 R12.2@56.2,57.8 ; J5.37@64.65,26.99 64.655,26.995 v1(66.795,26.995)
GPIO_5: J5.38 J31.5 R27.2 | length 77.4
  L02 - SIG w0.1: J31.5@41.845,69.5 43.329,68.016 57.987,68.016 73,53.003 73,30.898 68.479,26.378 v1(66.178,26.378)
  L04 - SIG w0.1: J31.5@41.845,69.5 41.845,67.555 44.2,65.2 R27.2@46,65.2 ; J5.38@64.65,26.355 64.672,26.378 v1(66.178,26.378)
GPIO_6: J1.3 J32.1 | length 62.8
  L02 - SIG w0.1: v1(7.6,48.6) 6.6,48.6 6.2,49 6.2,52.414 13.216,59.43 13.216,68.413 16.587,71.784 46.216,71.784 46.925,71.075 J32.1@46.925,69.5
  L04 - SIG w0.1: J1.3@5.65,48.58 5.66,48.59 7.59,48.59 v1(7.6,48.6)
GPIO_7: J1.4 J32.2 | length 65.5
  L02 - SIG w0.1: v1(7.045,47.936) 6.064,47.936 5.4,48.6 5.4,52.115 12.862,59.577 12.862,68.56 16.44,72.138 46.827,72.138 J32.2@49.465,69.5
  L04 - SIG w0.1: J1.4@5.65,47.945 5.654,47.941 7.04,47.941 v1(7.045,47.936)
GPIO_8: J1.5 J32.3 | length 69.5
  L02 - SIG w0.1: v1(3.6,47.8) 4.2,47.8 4.8,48.4 4.8,52.015 12.508,59.723 12.508,68.707 16.293,72.492 49.013,72.492 J32.3@52.005,69.5
  L04 - SIG w0.1: v1(3.6,47.8) 4.09,47.31 J1.5@5.65,47.31
GPIO_9: J1.6 J32.4 | length 74.5
  L02 - SIG w0.1: v1(4.143,46.688) 3.512,46.688 3,47.2 3,50.716 12.154,59.87 12.154,68.853 16.147,72.846 52.554,72.846 54.545,70.855 J32.4@54.545,69.5
  L04 - SIG w0.1: v1(4.143,46.688) 4.149,46.682 5.643,46.682 J1.6@5.65,46.675
GPIO_10: J1.7 J32.5 | length 78.3
  L02 - SIG w0.1: v1(3.041,46.029) 2.4,46.669 2.4,50.617 11.8,60.017 11.8,69 16,73.2 53.385,73.2 J32.5@57.085,69.5
  L04 - SIG w0.1: v1(3.041,46.029) 3.046,46.034 5.644,46.034 J1.7@5.65,46.04
GPIO_IL_A: J1.41 R1.1 | length 9.3
  L04 - SIG w0.1: R1.1@2.2,52.6 5.2,52.6 7.95,49.85 J1.41@10.35,49.85
GPIO_IL_B: J1.80 R2.1 | length 9.2
  L04 - SIG w0.1: R2.1@2.2,22.6 5.3,22.6 7.785,25.085 J1.80@10.35,25.085
GPIO_IL_C: J5.41 R4.1 | length 3.3
  L04 - SIG w0.1: J5.41@69.35,49.85 72.45,49.85 R4.1@72.6,50
GPIO_IL_D: J5.80 R3.1 | length 3.3
  L04 - SIG w0.1: J5.80@69.35,25.085 69.389,25.046 71.954,25.046 R3.1@72.4,24.6
I2C1_SCL: J5.46 J16.3 | length 22.6
  L02 - SIG w0.1: J16.3@56.08,40.58 56.08,44.88 61.579,50.379 64.021,50.379 65,49.4 65,47.4 65.8,46.6 67.465,46.6 v1(67.512,46.648)
  L04 - SIG w0.1: v1(67.512,46.648) 67.526,46.661 69.264,46.661 69.3,46.625 J5.46@69.35,46.675
I2C1_SDA: J5.47 J16.4 | length 21.1
  L02 - SIG w0.1: J16.4@58.62,40.58 58.62,46.42 62,49.8 63.6,49.8 64.4,49 64.4,46.8 65.456,45.744 v1(67.227,45.744)
  L04 - SIG w0.1: v1(67.227,45.744) 67.523,46.04 J5.47@69.35,46.04
I2C2_SCL: J5.12 J12.3 | length 35.2
  L02 - SIG w0.1: J12.3@56.08,38.04 54.851,36.811 54.851,32.549 59.4,28 63.4,28 64.13,28.73 64.13,39.47 63.4,40.2 62.6,40.2 62.062,40.738 62.062,42.262 v1(62.6,42.8)
  L04 - SIG w0.1: v1(62.6,42.8) 62.632,42.833 64.617,42.833 J5.12@64.65,42.865
I2C2_SDA: J5.11 J12.4 | length 25.5
  L02 - SIG w0.1: J12.4@58.62,38.04 60,36.66 60,34 59.4,33.4 59.4,31.4 60,30.8 61.2,30.8 62.154,31.754 62.154,36.703 61.708,37.149 61.708,42.908 v1(62.4,43.6)
  L04 - SIG w0.1: v1(62.4,43.6) 62.45,43.55 64.6,43.55 J5.11@64.65,43.5
I2C3_SCL: J5.19 J7.3 | length 23.4
  L02 - SIG w0.1: J7.3@56.08,35.5 56.08,32.52 60,28.6 63.229,28.6 63.776,29.147 63.776,37.583 v1(62.929,38.43)
  L04 - SIG w0.1: v1(62.929,38.43) 62.939,38.42 J5.19@64.165,38.42